# KiCad board breakout-sky-qfn.kicad_pcb (continued)
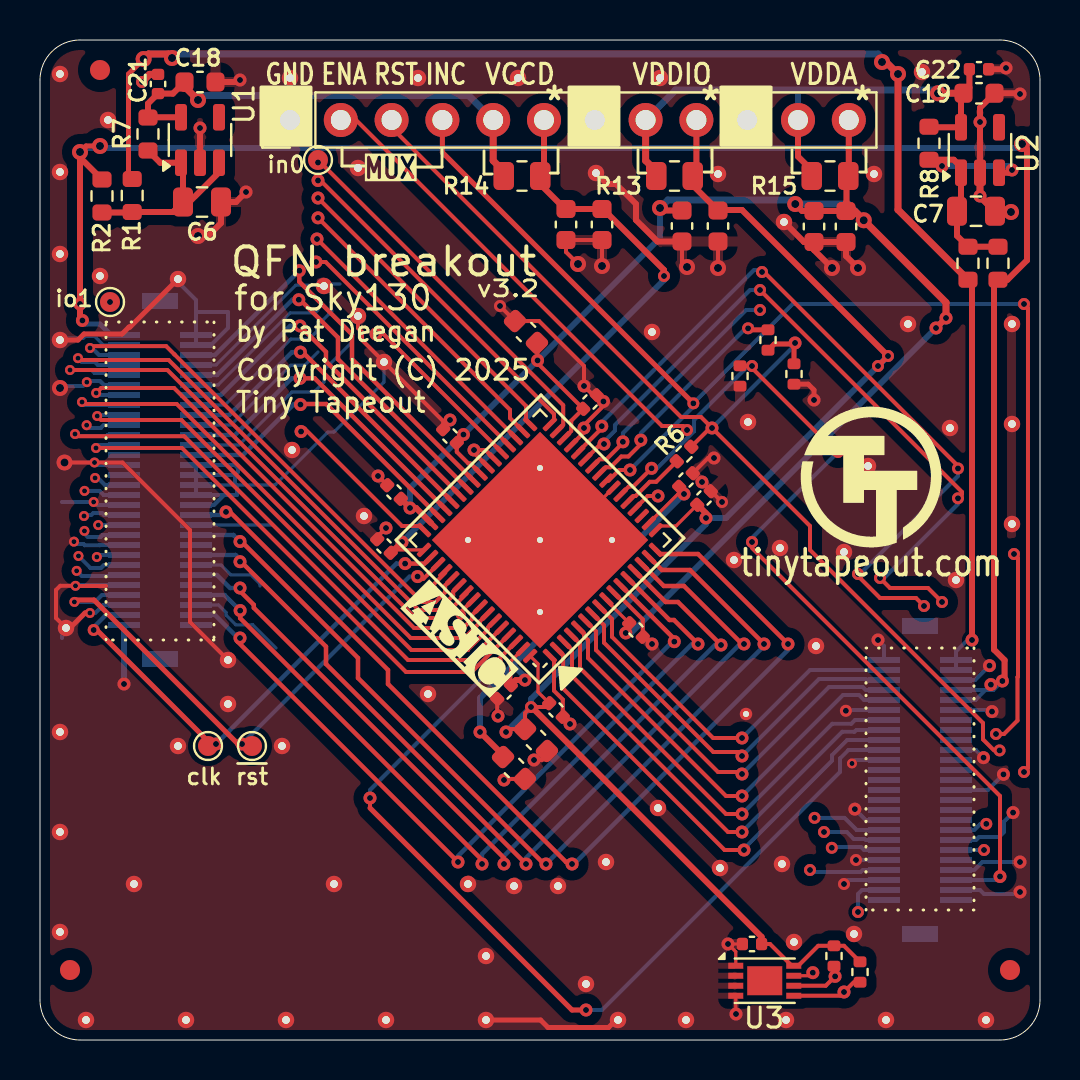
[diagram p0: board, top side]
## Nets
+3V3: J1.1 J3.8 J3.10 R2.1 R4.1
+5V: J3.2 J3.4 R1.1 R3.1
GND: ASCGND01.1 ASCGND01#2.1 ASCGND01#3.1 ASCGND01#4.1 ASCGND01#5.1 C1.2 C2.2 C3.2 C4.2 C5.2 C6.2 C7.2 C8.2 C9.1 C10.2 C11.1 C12.2 C13.1 C14.2 C15.2 C16.2 C17.1 C18.2 C19.2 C20.1 C21.2 C22.2 C23.2 C24.1 C25.1 J1.2 J1.3 J1.4 J1.8 J1.11 J1.12 J1.16 J1.19 J1.20 J1.24 J1.27 J1.28 J1.30 J1.32 J1.34 J1.35 J1.36 J1.40 J1.43 J1.48 J1.51 J1.55 J1.56 J1.59 J2.1 J2.7 J2.10 J3.1 J3.6 J3.11 J3.12 J3.20 J3.21 J3.28 J3.33 J3.38 J3.41 J3.44 J3.45 J3.48 R9.2 R10.2 STICHM01.1 STITCH01.1 STITCH01#2.1 STITCH01#3.1 STITCH01#4.1 STITCH01#5.1 STITCH01#6.1 STITCH01#7.1 STITCH01#8.1 STITCH01#9.1 STITCH01#10.1 STITCH01#11.1 STITCH01#12.1 STITCH01#13.1 STITCH01#14.1 STITCH01#15.1 STITCH01#16.1 STITCH01#17.1 STITCH01#18.1 STITCH01#19.1 STITCH01#20.1 STITCH01#21.1 STITCH01#22.1 STITCH01#23.1 STITCH01#24.1 STITCH01#25.1 STITCH01#26.1 STITCH01#27.1 STITCH01#28.1 STITCH01#29.1 STITCH01#30.1 STITCH01#31.1 STITCH01#32.1 STITCH01#33.1 STITCH01#34.1 STITCH01#35.1 STITCH01#36.1 STITCH01#37.1 STITCH01#38.1 STITCH01#39.1 STITCH01#40.1 STITCH01#41.1 STITCH01#42.1 STITCH01#43.1 STITCH01#44.1 STITCH01#45.1 STITCH01#46.1 STITCH01#47.1 STITCH01#48.1 STITCH2.1 STITCH3.1 STITCH4.1 STITCH5.1 STITCH6.1 STITCH7.1 STITCH8.1 STITCH9.1 STITCH10.1 STITCH11.1 STITCH12.1 STITCH13.1 STITCH14.1 STITCH15.1 STITCH16.1 STITCH16#2.1 STITCH16#3.1 STITCH16#4.1 STITCH16#5.1 U1.2 U2.2 U3.1 U3.2 U3.3 U3.4 U3.7 U4.1 U4.10 U4.20 U4.23 U4.29 U4.38 U4.39 U4.52 U4.56 U4.65
VCC_{REG}: C18.1 C21.1 J2.5 R7.2 R14.1 U1.5
VCCD: C1.1 C3.1 C5.1 C20.2 C23.1 C24.2 J2.6 R14.2 U4.18 U4.49 U4.63
VDD_{IO}: C2.1 C4.1 C16.1 C17.2 C25.2 J2.9 R11.1 R12.1 R13.2 U3.8 U4.17 U4.64
VDD_{REG}: C19.1 C22.1 J2.8 J2.11 R8.2 R13.1 R15.1 U2.5
VDDA: C8.1 C9.2 C10.1 C11.2 C12.1 C13.2 C14.1 C15.1 J2.12 R15.2 U4.9 U4.30 U4.40 U4.47
/an0: J1.6 U4.41
/an1: J1.10 U4.42
/an2: J1.14 U4.43
/an3: J1.18 U4.44
/an4: J1.22 U4.45
/an5: J1.26 U4.46
/an6: J1.58 U4.11
/an7: J1.54 U4.12
/an8: J1.50 U4.13
/an9: J1.46 U4.14
/an10: J1.42 U4.15
/an11: J1.38 U4.16
/c_ena: J2.2 J3.46 R9.1 U4.22
/c_rst_n: R5.2 U4.25
/c_sel_inc: J2.4 J3.47 U4.24
/hd_c_rst_n: J2.3 J3.43 R5.1 R6.1 R10.1
/mngIO0: J3.42
/mngIO1: J3.40 R11.2 U3.5
/mngIO2: J3.36 R12.2 U3.6
/mngIO3: J3.30
/mngIO4: J3.26
/mngIO5: J3.22
/mngIO6: J3.18
/mngIO7: J3.16
/p_clk: J1.57 TP2.1 U4.50
/p_rst: J1.53 TP1.1 U4.51
/RES1: J3.39 U4.26
/RES2: J3.37 U4.27
/RES3: J3.35 U4.28
/res_an16: J1.44
/res_an19: J1.52
/res_extra: J1.60
/reserved3: J3.31
/reserved4: J3.29
/reset_b: R6.2 U4.21
/uin0: J1.31 TP4.1 U4.31
/uin1: J1.33 U4.32
/uin2: J1.37 U4.33
/uin3: J1.39 U4.34
/uin4: J1.41 U4.35
/uin5: J1.45 U4.36
/uin6: J1.47 U4.37
/uin7: J1.49 U4.48
/uio0: J1.5 U4.53
/uio1: J1.7 TP3.1 U4.54
/uio2: J1.9 U4.55
/uio3: J1.13 U4.57
/uio4: J1.15 U4.58
/uio5: J1.17 U4.59
/uio6: J1.21 U4.60
/uio7: J1.23 U4.61
/uout0: J3.19 U4.62
/uout1: J3.17 U4.2
/uout2: J3.15 U4.3
/uout3: J3.13 U4.4
/uout4: J3.9 U4.5
/uout5: J3.7 U4.6
/uout6: J3.5 U4.7
/uout7: J3.3 U4.8
/VCIN: C6.1 R1.2 R2.2 R7.1 U1.1 U1.3
/VDIN: C7.1 R3.2 R4.2 R8.1 U2.1 U2.3

Pads without a net: J1 25 29 S1 S2; J3 14 23 24 25 27 32 34 49 50 S1 S2; U1 4; U2 4; U3 9; U4 19

## Via types
v1: diameter 0.6, hole 0.3, Top to Bottom, 38 vias
v2: diameter 0.8, hole 0.4, Top to Bottom, 22 vias
v3: diameter 0.65, hole 0.3, Top to Bottom, 113 vias
v4: diameter 0.5, hole 0.25, Top to Bottom, 27 vias

## Routing (per net, layer and track width the routed paths; a pad name or vN(x,y) marks a point on that pad's centre or on a via; arc(x,y) is an arc through that point)
+3V3: length 95
  Top w0.2: 48.25,17.86 48.16,17.95 v3(48.12,17.95)
  Top w0.25: v2(2,44.4) 2.3,44.7 v2(3,44.7)
  Top w0.3: v3(2.12,35.98) 2.02,35.98 2,36 v2(2,44.4) 2,44.13 3.1,43.03 ; v2(49.1,44.8) 49.35,44.55 49.35,38.99 48.38,38.01 R4.1 47.7,37.81 47.7,19.52 48.23,18.99 48.23,17.88 48.25,17.86
  Bottom w0.2: J3.8 47.67,17.5 v3(48.12,17.95) ; v3(47.54,17.77) 46.77,17 J3.10
  Bottom w0.25: v3(2,36.8) 2,36.1 v3(2.12,35.98) 2.3,35.8 3,35.8 3.55,35.25 J1.1
  Bottom w0.3: v2(2,44.4) 2.2,44.6 48.9,44.6 v2(49.1,44.8)
+5V: length 79.7
  Top w0.25: R1.1 4.43,43.24 4.43,48.29 v2(5.18,49.05) ; v2(42.1,48.9) 42.3,48.9
  Top w0.3: R3.1 46.6,37.81 v3(46.6,20)
  Top w0.35: 42.3,48.9 v2(42.9,48.3) 42.9,41.51 R3.1 ; v2(6.6,49.1) 6.4,49.3 5.43,49.3 v2(5.18,49.05)
  Bottom w0.2: v3(46.6,20) 46.38,20 45.8,19.43 J3.2 J3.4 46.45,18.5
  Bottom w0.35: v2(5.18,49.05) 5.43,49.3 41.9,49.3 v2(42.9,48.3)
GND: length 308.5
  Top w0.16: ASCGND01#2.1 26.06,25 U4.23 ; U3.7 38.49,3.21 v3(38.64,3.37) ; C25.1 v3(34.4,4.8) 34.79,4.41 U3.1 ; v3(34.8,1.3) 34.79,1.31 U3.4
  Top w0.2: C11.1 v3(16.9,28.2) ; v3(33.1,27.9) 33.1,27.88 C16.2 33.56,27.44 v1(34.1,26.9) ; 33.9,39.93 v2(33.9,38.6) ; v2(32.35,38.65) 32.1,38.9 32.1,39.93 ; C20.1 33.4,29.1 v3(33.7,29.1) ; C5.2 23.25,13.05 v3(23.2,13) ; 3.3,22.7 1.78,22.7 v4(1.77,22.71) 1.01,22.71 0.8,22.5 0.8,21.1 STITCH01#44.1 ; U4.1 25.7,19 25.7,17.46 26.14,17.02 C17.1 v3(26.5,15.8) ; C2.2 25.35,14.25 25.1,14 v3(24.7,14) ; U4.38 22.27,29.5 v3(21.7,29.5) 21.7,29.36 U4.39 ; 20.26,23.36 19.53,22.63 v3(19.53,22.55) ; v3(17.3,25.6) 16.86,25.16 C23.2 ; v3(22.9,16.2) 22.86,16.24 C24.1 ; v3(20.5,31) 20.16,30.66 C13.1 20.16,30.94 STITCH01#8.1 16.1,35 16.1,35.4 15.9,35.6 STITCH01#9.1 ; v2(26.9,38.8) 26.3,39.4 C3.2 C1.2 v2(28.1,38.7) ; U4.20 30.38,27.2 v3(30.9,27.2) ; U4.56 21.04,21.39 v4(21.04,21.26) ; U4.10 29.06,22 29.16,22 30.14,21.02 C15.2 30.24,20.16 v3(30.6,19.8) ; v1(23,36.7) C8.2 24.95,35.95 27.2,33.7 v3(27.2,32.7) 27.66,32.24 C9.1 28.15,31.93 v3(28.17,31.93) 28.17,31.71 27.2,30.74 v3(27.2,30.6) 27.3,30.5 27.3,30.48 U4.29 ; v2(1.23,28.87) v4(2.73,28.87) 4.13,28.87 7.5,25.5 7.5,20.9 STITCH01#41.1
  Top w0.25: STITCH16#3.1 4.5,35.65 4.45,35.65 4.1,35.3 2.2,35.3 1.9,35 STITCH01#48.1 ; R10.2 38.41,32.79 38.7,32.5 v3(38.7,32) ; J2.1 STITCH01#17.1 ; STITCH5.1 25.03,1 25.4,0.63 28.43,0.63 28.8,1 STITCH6.1 ; STITCH01#44.1 1.5,20.6 2.25,21.35 v4(2.5,21.35)
  Top w0.3: v3(49,47.3) 48.96,47.34 C19.2 47,46.61 v3(47,45.9) U2.2 ; C14.2 38.2,39.9 STITCH01#11.1 ; C14.2 38.7,39.5 v2(39.6,38.6) ; C14.2 C12.2 40.3,39.2 v2(40.9,38.6) ; C22.2 48.24,48.54 v3(48.3,48.6) ; 32.1,39.93 30.88,39.93 29.8,41 29.8,41.8 28.8,42.8 28.35,42.8 STITCH01#24.1 ; v3(10,48) 9.9,47.9 C18.2 ; U1.2 v3(8,45.6) ; v3(10.3,42.4) 9.8,41.9 C6.2 9.05,40.85 8.4,40.2 v2(7.9,40.2)
  Top w0.35: U2.2 v3(47,42.2) 47,42.19 C7.2 48.51,41.44 v2(48.55,41.4) ; v1(5.1,47.9) 5.48,48.28 C21.2
  In1.Cu w0.2: v2(1,32.6) 1.1,32.7 2.15,32.7 v4(2.34,32.89) 2.75,33.3 ; v4(2.33,30.74) 2.33,30.67 2.6,30.4 3.6,30.4 3.6,29.6 2.87,28.87 v4(2.73,28.87) v2(1.23,28.87) ; 2.25,21.35 v4(2.5,21.35) 2.5,22.3 2.09,22.71 v4(1.77,22.71) 0.91,22.71 0.8,22.6 0.8,21.1 STITCH01#44.1 1.5,20.6 2.25,21.35
  In2.Cu w0.2: v2(1.23,28.87) v4(2.73,28.87) 3.87,28.87 3.87,27.67 3.1,26.9 v4(2.68,26.9) 3.4,26.9 3.8,26.5 3.8,24.8 ; STITCH01#44.1 1.5,20.6 2.25,21.35 v4(2.5,21.35) ; 3.8,24.8 4,24.6 4,23.6 3.11,22.71 v4(1.77,22.71) 1.19,22.71 0.8,23.1 0.8,24.9 1.68,24.9 v4(1.7,24.92) 1.88,24.92 2,24.8 3.8,24.8 ; v4(2.34,32.89) 2.15,32.7 1.6,32.7 1.5,32.6 v2(1,32.6)
  In2.Cu w0.25: STITCH01#48.1 1.9,35 2.2,35.3 4.15,35.3 STITCH16#3.1
  Bottom w0.16: J1.48 9.05,23.75 9.54,23.26 10.54,23.26 11,22.8 11,22.7 ; 13.9,36.5 13.76,36.36 12.51,36.36 8.9,32.75 J1.12 ; 1,35.1 2.18,35.1 2.26,35.18 2.74,35.18 3.17,34.75 J1.3 ; J1.20 9.55,30.75 12.54,33.74 13.24,33.74 13.9,34.4 ; J1.24 9.95,29.75 12.6,32.4 13.7,32.4 14.2,32.9 14.2,33.5 15.6,34.9 ; J1.40 11.65,25.75 ; J1.16 9.25,31.75 10.88,33.38 10.88,33.38 12.55,35.05 13.46,35.05 13.84,35.43 13.84,35.69 14.6,36.46 ; 11.8,19.6 10.64,20.76 9.79,20.76 9.3,21.25 9.3,21.37 8.92,21.75 J1.56 ; J1.32 11.75,27.75 14.4,30.4 14.7,30.4 17.2,32.9 STITCH01#8.1 ; J1.8 8.8,33.75 12.79,37.74 14.24,37.74 14.3,37.8 15,37.8
  Bottom w0.2: J1.51 1.82,22.75 v4(1.77,22.71) ; J3.12 47.52,16.5 v3(47.6,16.42) ; J3.41 v1(40.8,9) ; 9.2,27.25 9.85,27.25 9.85,27.7 9.75,27.8 9.75,28.25 ; 9.2,27.25 J1.34 J1.28 9.75,28.75 9.9,28.6 9.9,28.4 9.75,28.25 ; 9.2,27.25 8.7,26.75 J1.36 ; v2(1,32.6) 1.1,32.7 2.15,32.7 v4(2.34,32.89) 2.4,32.95 3,32.95 3.2,32.75 J1.11 ; 1.1,26.9 v4(2.68,26.9) 2.83,26.75 J1.35 ; v2(1.23,28.87) v4(2.73,28.87) 2.85,28.75 J1.27 ; v3(49,8.9) 47.12,8.9 46.72,8.5 J3.44 ; v1(40.3,16.46) 40.33,16.5 J3.11 ; v3(40.74,11.54) 41.28,11 J3.33 ; J3.1 42.2,19.7 v3(41.9,20) ; v4(2.33,30.74) 2.47,30.6 3.04,30.6 3.19,30.75 J1.19 ; J3.21 40.77,14 v4(40.6,13.83) ; STITCH16#3.1 6.9,37.9 7.8,37 7.8,36.4 ; 7.8,36.4 9.4,36.4 9.4,35.6 8.55,34.75 J1.4 J1.2 7.8,36.4 ; J3.6 46.76,18 v3(47.48,18.72) ; 9.75,28.25 J1.30 ; J3.45 40.4,8 v1(40.2,7.8) ; J1.43 3.02,24.75 3.01,24.74 2.23,24.74 2.17,24.8 1.7,24.8 1.7,24.8 v4(1.7,24.92) ; v3(47.18,14.12) 46.79,14.5 J3.20 ; J3.48 47,7.5 47.2,7.3 48.9,7.3 v3(49,7.4) ; v3(48.17,13.28) 47.39,12.5 J3.28 ; v3(48.65,11.37) 48.2,10.92 48.2,10.4 47.95,10.15 46.95,10.15 46.8,10 J3.38 ; J1.55 3.16,21.75 2.76,21.35 v4(2.5,21.35) 2.25,21.35 1.1,20.2 1.1,20.1
  Bottom w0.3: v3(4.2,17.8) J1.59
VCC_{REG}: length 24.1
  Top w0.3: C18.1 6.65,47.32 C21.1 5.4,46.82 R7.2 5.41,46.14 U1.5
  Top w0.35: 7.23,47.68 v2(7.9,47) ; J2.5 22.66,43.97 23.28,43.35
  Top w0.55: C18.1 7.23,47.68
  Bottom w0.35: J2.5 21.43,47.23 8.13,47.23 v2(7.9,47)
VCCD: length 66.9
  Top w0.16: U4.63 23.54,18.94 C24.2 ; U4.49 17.68,24.51 C23.1 ; v3(32.2,27.3) 31.9,27.3 U4.18
  Top w0.3: v3(18.1,24.9) 17.56,24.36 C23.1 ; C5.1 23.15,14.25 v3(22,15.4) ; 26.25,41.55 24.93,42.88 24.93,43.35 25.2,43.63 J2.6 ; v1(31.2,38.2) 31.2,38.5 28.15,41.55 C1.1 C3.1 ; v3(24.25,18) 23.8,18 C24.2
  In2.Cu w0.3: v3(24.25,18) 24.5,18.25 24.5,19.1 18.7,24.9 v3(18.1,24.9)
  Bottom w0.3: 23.65,18.75 22,17.1 v3(22,15.4) ; 23.65,18.75 24.25,18.16 v3(24.25,18) ; 23.65,18.75 v3(32.2,27.3) ; v3(18.1,24.9) 31.2,38 v1(31.2,38.2)
VDD_{IO}: length 77.2
  Top w0.16: U4.17 31,25.7 31.8,25.7 C16.1 ; C17.2 24.9,17.4 24.9,18.81 U4.64
  Top w0.2: 36.2,4.92 C25.2 36.5,4.8 37.59,3.71 U3.8 37.91,3.71 38.91,4.71 R12.1 40.2,4.71 R11.1 ; v1(24.55,16.65) 25.27,16.65 C17.2 ; v1(24.55,16.65) 24.25,16.35 C2.1 23.45,15.55 v3(23.3,15.4) ; v1(24.55,16.65) 24.75,16.65
  Top w0.25: v1(41.9,33.7) v1(42.4,34.2)
  Top w0.3: v3(33.3,26.1) 33.3,26.34 32.88,26.76 C16.1 ; 24.75,16.65 24.75,16.48 36.08,5.15 C25.2 ; J2.9 32.82,43.62 32.55,43.35 32.55,42.83 C4.1 33.93,41.5 35.1,41.5 v1(42.4,34.2)
  Bottom w0.3: v3(23.3,15.4) v1(24.55,16.65) 24.55,17.05 33.3,25.8 v3(33.3,26.1) 34.3,26.1 v1(42.4,34.2)
VDD_{REG}: length 28.6
  Top w0.3: R8.2 44.48,45.64 U2.5 46.05,47.21 46.47,47.63 C22.1 ; J2.11 37.9,44.18 38.68,43.4
  Top w0.35: 46.18,47.34 v2(44.9,47.34) ; J2.8 30.28,43.97 30.9,43.35
  Bottom w0.3: J2.11 37.9,47.5
  Bottom w0.35: v2(44.9,47.34) 44.74,47.5 31.78,47.5 J2.8
VDDA: length 84.5
  Top w0.16: U4.9 28.32,21.98 C15.1
  Top w0.2: U4.30 26.56,30.45 26.56,30.96 C9.2 24.88,33.84 v3(24.88,33.98) 24.88,34.82 C8.1 ; 21.3,30.32 C13.2 20.84,29.41 21.42,28.83 21.53,28.83 U4.40 ; v3(29.29,20.35) 29.46,20.52 C15.1
  Top w0.3: U4.47 18.8,26.6 v3(18.5,26.6) C11.2 ; v2(31,41.6) 31.13,41.48 C10.1 ; v2(37.76,41.8) 38.11,41.45 C14.1 C12.1 40.3,41.88 40.33,41.9 40.33,43.4 40.44,43.52 J2.12 ; v3(44.8,35.6) v3(45.3,36.1)
  Top w0.35: 40.73,41.45 C12.1 40.73,41.45 ; 40.73,41.45 45.3,36.88 v3(45.3,36.1) ; 40.73,41.45 v2(41.19,40.99)
  Bottom w0.3: v2(31,41.6) 31,40.1 v3(24.88,33.98) 18.5,27.6 v3(18.5,26.6) ; v3(29.29,20.35) 29.55,20.35 v3(45.3,36.1)
  Bottom w0.35: v2(41.19,40.99) 41.19,41.01 40.4,41.8 v2(37.76,41.8) 37.56,42 31.4,42 v2(31,41.6)
  vias: v3(21.17,30.27)
/an0: length 21
  Top w0.22: U4.41 15.6,34.05 15.6,35.28 12.97,37.92 v3(12.97,38.47)
  Bottom w0.22: J1.6 8.75,34.25 v3(12.97,38.47)
/an1: length 19.6
  Top w0.22: U4.42 14.9,34.04 14.9,35.12 13.01,37.01 v3(12.94,37.01)
  Bottom w0.22: v3(12.94,37.01) 12.62,37.01 8.85,33.25 J1.10
/an2: length 18.4
  Top w0.22: U4.43 14.3,33.93 14.3,34.4 v3(13,35.7)
  Bottom w0.22: J1.14 9.05,32.25 12.5,35.7 v3(13,35.7)
/an3: length 17.2
  Top w0.22: v3(13.02,34.39) 13.13,34.39 U4.44
  Bottom w0.22: v3(13.02,34.39) 12.6,34.39 9.46,31.25 J1.18
/an4: length 16.3
  Top w0.22: U4.45 13.73,33.08 v3(13,33.08)
  Bottom w0.22: v3(13,33.08) 12.58,33.08 9.75,30.25 J1.22
/an5: length 15.5
  Top w0.22: v3(13.02,31.77) 13.05,31.8 14.31,31.8 U4.46
  Bottom w0.22: v3(13.02,31.77) 12.67,31.77 10.15,29.25 J1.26
/an6: length 37.9
  Top w0.22: 9.9,20.1 9.9,19.9 v3(20.9,8.9) ; U4.11 31.71,20.05 v3(31.71,19.92) 31.77,19.97 31.77,20
  Bottom w0.22: v3(31.71,19.92) 31.62,19.92 20.9,9.2 v3(20.9,8.9) ; 9.9,20.1 8.75,21.25 J1.58
  vias: v3(10,20.1)
/an7: length 40.7
  Top w0.22: v3(10.01,21.47) 10.01,21.09 22.1,9 v3(22.1,8.8) ; v3(32.9,19.8) 31.7,21 31.47,21 U4.12
  Bottom w0.22: J1.54 9.23,22.25 v3(10.01,21.47) ; v3(22.1,8.8) 22.1,9.3 32.6,19.8 v3(32.9,19.8)
/an8: length 43.2
  Top w0.22: U4.13 31.28,21.9 31.9,21.9 v3(34.05,19.75) ; v3(10,22.6) 10,22.45 10.69,21.75 10.69,21.61 23.2,9.1 v3(23.2,8.8)
  Bottom w0.22: v3(34.05,19.75) 33.75,19.75 23.2,9.2 v3(23.2,8.8) ; J1.50 8.85,23.25 9.5,22.6 v3(10,22.6)
/an9: length 45.8
  Top w0.22: v3(24.3,8.8) 14.3,18.8 14.3,19.67 10.12,23.85 10.12,23.92 ; U4.14 31.19,22.7 32.2,22.7 35.1,19.8 v3(35.2,19.8)
  Bottom w0.22: v3(35.2,19.8) 35,19.8 24.3,9.1 v3(24.3,8.8) ; J1.46 9.78,24.25 10.12,23.92
  vias: v3(10,23.92)
/an10: length 48
  Top w0.22: U4.15 31.1,23.5 32.5,23.5 v3(36.2,19.8) ; v3(25.3,8.8) 25.2,8.9 25.1,8.9 15.9,18.1 15.9,19.1 10.08,24.92 v3(10,24.92)
  Bottom w0.22: J1.42 9.67,25.25 v3(10,24.92) ; v3(25.3,8.8) 36.2,19.7 v3(36.2,19.8)
/an11: length 50.8
  Top w0.22: 26.8,8.7 26.8,8.9 26.3,8.9 17.4,17.8 17.4,18.5 9.5,26.41 v3(9.3,26.41) ; U4.16 31,24.3 32.9,24.3 v3(37.4,19.8)
  Bottom w0.22: J1.38 9.15,26.25 v3(9.3,26.41) ; v3(37.4,19.8) 37.4,19.5 26.8,8.9
  vias: v3(26.6,8.8)
/c_ena: length 70.8
  Top w0.2: R9.1 35.01,33.7 v1(35.6,33.7) 35.6,33.6 39.8,29.4 v1(39.9,29.4) ; v3(48,8.18) 48,12.2 35.6,24.6 ; v1(32.35,30.5) 32.15,30.7 31.1,30.7 15.8,46 J2.2 ; v3(30.58,28.58) 29.67,27.67 29.44,27.67 U4.22
  In2.Cu w0.2: 35.6,24.6 v1(35.6,24.9)
  Bottom w0.2: v1(39.9,29.4) 35.6,25.1 v1(35.6,24.9) ; 32.7,30.43 32.64,30.5 v1(32.35,30.5) ; 32.7,30.43 32.7,31 35.3,33.6 35.5,33.6 v1(35.6,33.7) ; 32.7,30.43 30.85,28.58 v3(30.58,28.58) ; v3(48,8.18) 47.83,8 J3.46
/c_rst_n: length 12
  Top w0.2: v3(30.04,30) 30.04,29.79 29.42,29.18 29.07,29.18 28.53,28.64 28.28,28.64 U4.25
  Top w0.25: v1(35.4,35.58) 35.48,35.51 R5.2
  Bottom w0.2: v3(30.04,30) 30.04,30.34 35.28,35.58 v1(35.4,35.58) 35.52,35.7 35.6,35.7
/c_sel_inc: length 81
  Top w0.2: U4.24 28.43,27.97 28.96,28.5 v3(29.5,28.5) ; v1(49.2,13.4) 49.4,13.6 49.4,36.6 v1(49.2,36.8)
  Top w0.25: v1(32.67,31.83) 20.12,44.38 J2.4
  In1.Cu w0.2: v1(40.9,6.4) 41.6,6.4 46.66,11.46 47.26,11.46 v1(49.2,13.4)
  Bottom w0.2: v1(40.9,6.4) 40.9,7.3 41.1,7.5 J3.47 ; v3(29.5,28.5) 32.67,31.67 v1(32.67,31.83) 37.64,36.8 v1(49.2,36.8)
/hd_c_rst_n: length 70.8
  Top w0.2: v3(33.6,30.6) 38.5,25.7 38.5,24.5 47.15,15.85 47.15,15.03 47.7,14.48 ; v3(33.6,30.6) 33.05,31.15 32.05,31.15 17.58,45.62 J2.3 ; v3(33.6,30.6) 33.5,30.6 R6.1
  Top w0.25: 37.7,34.8 v3(37.75,34.85) ; 37.7,34.8 R10.1 ; 37.7,34.8 36.71,34.8 R5.1
  In1.Cu w0.2: v1(38.5,8.5) 38.8,8.8 39.7,8.8 45.7,14.8 47.4,14.8 47.72,14.48 v1(47.98,14.48)
  In2.Cu w0.2: 47.7,14.48 v1(47.98,14.48)
  Bottom w0.2: v1(38.5,8.5) 38.6,8.4 41.03,8.4 41.13,8.5 J3.43 ; v3(37.75,34.85) 37.75,34.75 v3(33.6,30.6)
/mngIO1: length 15
  Top w0.16: R11.2 40.69,2.89 ; 40.01,2.21 v3(40.2,2.4)
  Top w0.2: 40.69,2.89 v3(40.2,2.4) ; U3.5 40.01,2.21
  In1.Cu w0.2: v1(47.2,9.5) 40.1,2.4
  Bottom w0.2: J3.40 v1(47.2,9.5)
/mngIO2: length 15.5
  Top w0.16: v3(39.75,3.18) 39.7,3.23 R12.2
  Top w0.2: v3(39.75,3.18) 39.28,2.71 U3.6
  In1.Cu w0.16: 39.95,3.45 39.95,3.25 39.88,3.18 v3(39.75,3.18)
  In1.Cu w0.2: 39.8,3.3 47.31,10.81 v1(47.31,10.81)
  Bottom w0.2: J3.36 46.72,10.5 47.02,10.81 v1(47.31,10.81)
/p_clk: length 25.3
  Top w0.22: U4.50 19.22,23.82 v3(18.26,23.82) 18.26,23.82 18.37,23.7 18.44,23.7 ; 8.38,14.8 v3(8.8,14.8)
  Top w0.25: 8.38,14.8 8.38,14.96 2.84,20.5 v1(2.68,20.5)
  Bottom w0.22: v3(18.26,23.82) 17.82,23.82 v3(8.8,14.8) ; J1.57 3.29,21.25 2.68,20.65 v1(2.68,20.5)
/p_rst: length 27.7
  Top w0.2: U4.51 19.17,23.06 18.99,23.06 18.88,23.17 v3(18.88,23.17) ; 1.72,21.9 v4(1.72,21.9)
  Top w0.25: v3(10.1,14.8) 9.9,14.8 2.7,22 1.82,22 1.72,21.9
  Bottom w0.2: v4(1.72,21.9) 2.75,21.9 3.1,22.25 J1.53 ; v3(10.1,14.8) 18.47,23.17 v3(18.88,23.17)
/RES1: length 53.4
  Top w0.2: U4.26 27.97,29.04 28.32,29.04 29.14,29.86 v3(29.14,29.91) ; v1(47.8,15.3) 48.2,15.3 48.88,15.98 48.88,18.15 48.9,18.17 48.9,24.1 v1(48.7,24.3)
  In1.Cu w0.2: v1(47.8,15.3) 47.5,15.6 45.8,15.6 39.81,9.61 v1(39.59,9.61)
  In2.Cu w0.2: v1(36,36.5) 36.05,36.45 36.05,35.6 47.35,24.3 v1(48.7,24.3)
  Bottom w0.2: v1(39.59,9.61) 39.63,9.65 41.05,9.65 41.2,9.5 J3.39 ; v1(36,36.5) 35.3,36.5 29.14,30.34 v3(29.14,29.91)
/RES2: length 53.6
  Top w0.2: U4.27 28.03,29.8 v3(28.2,29.8) ; v1(45.1,21.9) 44.4,22.6 42.5,22.6 v1(42,23.1) ; v1(45.9,27.09) 46.1,27.29 46.1,27.4 v1(36,37.5)
  In1.Cu w0.2: v1(39.2,10.4) 40.07,11.27 40.07,11.82 45.1,16.85 v1(45.1,21.9)
  Bottom w0.2: v1(42,23.1) 42.2,23.1 45.9,26.8 v1(45.9,27.09) ; v1(36,37.5) 35.5,37.5 28.74,30.74 28.74,30.46 28.2,29.92 v3(28.2,29.8) ; J3.37 41.28,10 41.23,10.05 40.69,10.05 40.34,10.4 v1(39.2,10.4)
/RES3: length 55.1
  Top w0.2: v1(44.2,21.7) 43.8,22.1 42,22.1 40.9,23.2 v1(40.9,23.3) ; v3(28.09,30.69) 28.09,30.59 26.91,29.41 U4.28 ; v1(45.9,28.58) 45.96,28.63 45.96,28.64 36.1,38.5
  In1.Cu w0.2: v1(44.2,21.7) 44.2,16.64 38.73,11.17 v1(38.73,11.11)
  Bottom w0.2: v3(28.09,30.69) 28.09,30.89 35.7,38.5 36,38.5 ; v1(40.9,23.3) 41,23.3 45.9,28.2 v1(45.9,28.58) ; v1(38.73,11.11) 40.22,11.11 40.83,10.5 J3.35
  vias: v1(36.1,38.4)
/reset_b: length 3.3
  Top w0.2: R6.2 30.81,27.91 30.49,27.91 29.78,27.2 29.67,27.2 U4.21
/uin0: length 41.5
  Top w0.2: TP4.1 13.88,43.98 13.88,43.9 v3(13.9,43.88) 14.03,43.88 26.16,31.74 26.16,30.76 U4.31
  In1.Cu w0.2: v3(13.9,43.88) 12.88,43.88 7.9,38.9 7.9,33.2 2.8,28.1 v4(2.75,28.1)
  Bottom w0.2: v4(2.75,28.1) 2.9,28.1 3.25,27.75 J1.31
/uin1: length 40.7
  Top w0.2: U4.32 25.7,31 25.7,31.3 14.03,42.97 v3(13.9,42.97)
  In1.Cu w0.2: v3(13.9,42.97) 12.97,42.97 8.6,38.6 8.6,33 3.06,27.46 v4(2.23,27.46)
  Bottom w0.2: J1.33 3.18,27.25 2.98,27.46 v4(2.23,27.46)
/uin2: length 39.4
  Top w0.2: v3(13.9,42.1) 24.3,31.7 24.3,31 U4.33
  In1.Cu w0.2: v4(2.2,26.2) 2.3,26.3 2.9,26.3 9.3,32.7 9.3,38.4 13,42.1 v3(13.9,42.1)
  Bottom w0.2: J1.37 3.2,26.25 3.1,26.35 2.66,26.35 2.57,26.25 2.25,26.25 v4(2.2,26.2)
/uin3: length 37.1
  Top w0.2: U4.34 23.5,31.1 23.5,31.51 v3(13.9,41.11)
  In1.Cu w0.2: v4(2.91,25.75) 2.96,25.7 3.47,25.7 10.1,32.33 10.1,38.3 12.91,41.11 v3(13.9,41.11)
  Bottom w0.2: J1.39 2.91,25.75 v4(2.91,25.75)
/uin4: length 38
  Top w0.2: U4.35 23.8,30.1 v3(13.85,40.05)
  In1.Cu w0.2: v3(13.85,40.05) 13.69,40.21 12.91,40.21 10.9,38.2 10.9,32.1 3.95,25.15 2.39,25.15 2.22,25.32 v4(2.22,25.45)
  Bottom w0.2: J1.41 3.13,25.25 3.03,25.15 2.39,25.15 2.22,25.32 v4(2.22,25.45)
/uin5: length 35.7
  Top w0.2: v3(13.8,38.9) 14.28,38.9 U4.36
  In1.Cu w0.2: v3(13.8,38.9) 13.56,39.14 12.64,39.14 11.8,38.3 11.8,32.1 3.85,24.15 v4(2.84,24.15)
  Bottom w0.2: J1.45 2.94,24.25 v4(2.84,24.15)
/uin6: length 31.7
  Top w0.2: v3(16.8,35.3) 17.17,35.3 U4.37
  In1.Cu w0.2: v4(1.92,24.2) 2.53,23.6 4.3,23.6 11.8,31.1 12.74,31.1 12.74,31.1 13.3,31.1 13.7,31.49 13.7,31.5 16.8,34.6 v3(16.8,35.3)
  Bottom w0.2: v4(1.92,24.2) 2.52,23.6 3.05,23.6 3.2,23.75 J1.47
/uin7: length 25.4
  Top w0.2: U4.48 19,25.7 18.1,25.7 13.24,30.57 13.13,30.57 13.05,30.49 v3(13.05,30.42)
  In1.Cu w0.2: v4(1.83,23.46) 2.19,23.1 4.9,23.1 12.37,30.57 12.98,30.57 13.05,30.49 v3(13.05,30.42)
  Bottom w0.2: J1.49 4.15,23.2 2.09,23.2 v4(1.83,23.46)
/uio0: length 26
  Top w0.2: v4(2.5,34.6) 2.59,34.69 6.31,34.69 6.72,34.28 6.72,34.28 19.1,21.9 19.77,21.9 20.26,22.39 20.26,22.73 U4.53
  Bottom w0.2: v4(2.5,34.6) 2.6,34.6 2.95,34.25 J1.5
/uio1: length 30.8
  Top w0.2: U4.54 20.66,22.43 20.66,22.22 19.93,21.5 18.93,21.5 6.43,34 1.99,34 v4(1.9,34.09)
  In1.Cu w0.2: v3(3.5,36.9) 3.5,36.4 1.9,34.8 v4(1.9,34.09)
  Bottom w0.2: J1.7 2.9,33.75 2.75,33.9 2.09,33.9 v4(1.9,34.09)
/uio2: length 28.3
  Top w0.2: v4(1.5,33.5) 6.37,33.5 18.77,21.1 20.1,21.1 21.32,22.32 U4.55
  Bottom w0.2: J1.9 3.32,33.25 3.22,33.35 2.73,33.35 2.58,33.5 v4(1.5,33.5)
/uio3: length 26.3
  Top w0.2: v4(2.81,32.35) 3.06,32.6 6.7,32.6 18.7,20.6 21.16,20.6 21.6,21.04 21.6,21.25 U4.57
  Bottom w0.2: v4(2.81,32.35) 2.91,32.25 J1.13
/uio4: length 27.9
  Top w0.2: U4.58 22,20.94 22,20.87 21.23,20.1 18.54,20.1 6.84,31.8 2.2,31.8 v4(2.1,31.9)
  Bottom w0.2: J1.15 2.25,31.75 v4(2.1,31.9)
/uio5: length 26.8
  Top w0.2: U4.59 22.4,20.63 22.4,20.53 21.4,19.53 21.4,19.5 18.57,19.5 7.07,31 3.06,31 v4(2.86,31.2)
  Bottom w0.2: J1.17 2.91,31.25 v4(2.86,31.2)
/uio6: length 29.2
  Top w0.2: U4.60 21.47,19 18.4,19 7.21,30.19 1.86,30.19 v4(1.75,30.3)
  Bottom w0.2: v4(1.75,30.3) 1.86,30.19 3.32,30.19 3.38,30.25 J1.21
/uio7: length 27.5
  Top w0.2: v4(2.8,29.6) 7.1,29.6 18.3,18.4 21.58,18.4 U4.61
  Bottom w0.2: J1.23 2.95,29.75 v4(2.8,29.6)
/uout0: length 47
  Top w0.2: 16.5,11.6 v3(16.5,12.1) ; v4(22.9,18.9) 22.9,19.01 U4.62
  Top w0.25: v3(27.3,1.5) 26.6,1.5 16.5,11.6
  Bottom w0.2: J3.19 40.42,14.5 40,14.08 40,13.4 28.1,1.5 v3(27.3,1.5) ; v4(22.9,18.9) 16.5,12.5 v3(16.5,12.1)
/uout1: length 24
  Top w0.2: v3(35.2,9.5) 34.23,9.5 26.16,17.57 26.16,19.24 U4.2
  Bottom w0.2: v3(35.2,9.5) 35.2,9.57 39.6,13.97 39.6,14.24 40.36,15 J3.17
/uout2: length 22.8
  Top w0.2: U4.3 26.6,19.51 26.6,18.2 34.4,10.4 v3(35.1,10.4)
  Bottom w0.2: v3(35.1,10.4) 40.11,15.41 40.73,15.41 40.82,15.5 J3.15
/uout3: length 22
  Top w0.2: v3(35.1,11.3) 34.3,11.3 27,18.6 27,19.82 U4.4
  Bottom w0.2: J3.13 40.75,16 40.56,15.81 39.61,15.81 v3(35.1,11.3)
/uout4: length 21.6
  Top w0.2: v3(35.1,12.2) 34.3,12.2 27.4,19.1 27.4,20 27.2,20.2 27.2,20.33 U4.5
  Bottom w0.2: J3.9 41.2,17 40.95,17.25 40.15,17.25 v3(35.1,12.2)
/uout5: length 20.5
  Top w0.2: U4.6 27.8,20.43 27.8,19.5 33.9,13.4 35,13.4 v3(35.1,13.3)
  Bottom w0.2: v3(35.1,13.3) 39.45,17.65 41.13,17.65 41.28,17.5 J3.7
/uout6: length 19.7
  Top w0.2: v3(35.1,14.2) 34.9,14.4 33.67,14.4 28.2,19.87 28.2,20.74 U4.7
  Bottom w0.2: v3(35.1,14.2) 38.95,18.05 41.3,18.05 41.35,18 J3.5
/uout7: length 18.9
  Top w0.2: U4.8 28.6,21.05 28.6,20.15 33.65,15.1 v3(35.1,15.1)
  Bottom w0.2: J3.3 38.5,18.5 v3(35.1,15.1)
/VCIN: length 11.1
  Top w0.3: 5.4,44.48 6.01,43.86 U1.1 7.15,43.76 C6.1 ; R2.2 4.59,41.38 R1.2 6.65,41.4 C6.1 ; C6.1 7.47,41.9 8.95,43.38 U1.3
/VDIN: length 11.8
  Top w0.3: R8.1 45.69,44.01 46.05,43.65 U2.1 46.05,41.64 C7.1 45.85,40.21 R3.2 R4.2 ; v3(48.6,43.5) 48.46,43.36 U2.3
  Bottom w0.3: v3(48.6,43.5) 48.4,43.7 v3(45.1,43.7)

## Copper pours and planes (outline as drawn; the poured copper is in the pictures)
GND on Top, Bottom, In1.Cu, In2.Cu: 0,50 0,-1.85 53,-1.85 53,50

## Text on the board
B.Silkscreen: VCCD | VDDIO | VDDA | Current may be provided or monitored for each / bank: remove the relevant resistor, feed/monitor / current going into pin marked *, either from its / supply pin (indicated), or your own supply. | ENA | RST | MUX | INC | psychogenic.com | PWR | MNG | tinytapeout.com | * | BIDIR | ANALOG | IN | OUT
F.Silkscreen: io1 | clk | ~{rst} | in0 | GND | ENA | MUX | RST | INC | by Pat Deegan | VCCD | VDDIO | VDDA | v${REVISION} | Copyright (C) 2025 / Tiny Tapeout | tinytapeout.com | for Sky130 | * | QFN breakout | ASIC
